# KiCad board CustomKeyboard-Simplified.kicad_pcb (continued)
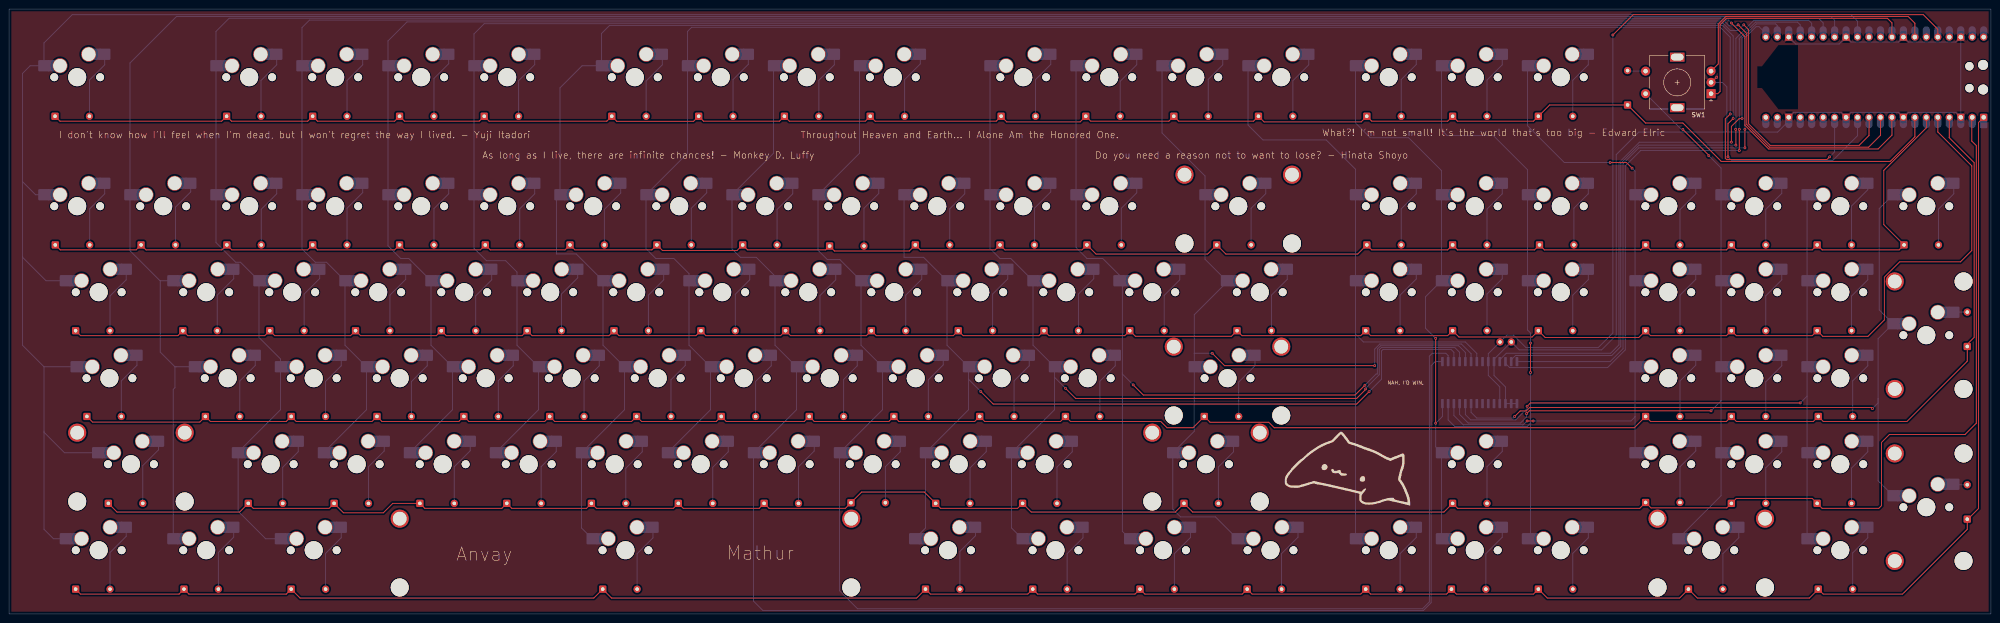
[diagram p0: board, top side]
## Nets
GND: A1.3 A1.8 A1.13 A1.18 A1.23 A1.28 A1.33 A1.38 C1.1 SW1.C U1.10 U1.15 U1.16 U1.17
/COL 0: A1.29 SW2.1 SW18.1 SW39.1 SW60.1 SW76.1 SW93.1
/COL 1: A1.27 SW19.1 SW40.1 SW61.1 SW94.1
/COL 2: A1.26 SW3.1 SW20.1 SW41.1 SW62.1 SW77.1 SW95.1
/COL 3: A1.9 SW4.1 SW21.1 SW42.1 SW63.1 SW78.1
/COL 4: A1.10 SW5.1 SW22.1 SW43.1 SW64.1 SW79.1
/COL 5: A1.11 SW6.1 SW23.1 SW44.1 SW65.1 SW80.1
/COL 6: A1.12 SW7.1 SW24.1 SW45.1 SW66.1 SW81.1 SW96.1
/COL 7: A1.14 SW8.1 SW25.1 SW46.1 SW67.1 SW82.1
/COL 8: SW9.1 SW26.1 SW47.1 SW68.1 SW83.1 U1.1
/COL 9: SW10.1 SW27.1 SW48.1 SW69.1 SW84.1 U1.2
/COL 10: SW28.1 SW49.1 SW70.1 SW85.1 SW97.1 U1.3
/COL 11: SW11.1 SW29.1 SW50.1 SW71.1 SW86.1 SW98.1 U1.4
/COL 12: SW12.1 SW30.1 SW51.1 SW99.1 U1.5
/COL 13: SW13.1 SW31.1 SW52.1 SW72.1 SW87.1 SW100.1 U1.6
/COL 14: SW14.1 SW32.1 SW53.1 SW101.1 U1.7
/COL 15: SW15.1 SW33.1 SW54.1 SW88.1 SW102.1 U1.28
/COL 16: SW16.1 SW34.1 SW55.1 SW103.1 U1.27
/COL 17: SW17.1 SW35.1 SW56.1 SW73.1 SW89.1 U1.26
/COL 18: SW1.S2 SW36.1 SW57.1 SW74.1 SW90.1 SW104.1 U1.25
/COL 19: SW37.1 SW58.1 SW75.1 SW91.1 SW105.1 U1.24
/COL 20: SW38.1 SW59.1 SW92.1 U1.23
/GPIO27_ADC1: A1.32 SW1.A
/GPIO28_ADC2: A1.34 SW1.B
/ROW 0: A1.7 D1.1 D2.1 D3.1 D4.1 D5.1 D6.1 D7.1 D8.1 D9.1 D10.1 D11.1 D12.1 D13.1 D14.1 D15.1 D16.1 D17.1
/ROW 1: A1.6 D18.1 D19.1 D20.1 D21.1 D22.1 D23.1 D24.1 D25.1 D26.1 D27.1 D28.1 D29.1 D30.1 D31.1 D32.1 D33.1 D34.1 D35.1 D36.1 D37.1 D38.1
/ROW 2: A1.5 D39.1 D40.1 D41.1 D42.1 D43.1 D44.1 D45.1 D46.1 D47.1 D48.1 D49.1 D50.1 D51.1 D52.1 D53.1 D54.1 D55.1 D56.1 D57.1 D58.1
/ROW 3: A1.4 D59.1 D60.1 D61.1 D62.1 D63.1 D64.1 D65.1 D66.1 D67.1 D68.1 D69.1 D70.1 D71.1 D72.1 D73.1 D74.1 D75.1
/ROW 4: A1.2 D76.1 D77.1 D78.1 D79.1 D80.1 D81.1 D82.1 D83.1 D84.1 D85.1 D86.1 D87.1 D88.1 D89.1 D90.1 D91.1
/ROW 5: A1.1 D92.1 D93.1 D94.1 D95.1 D96.1 D97.1 D98.1 D99.1 D100.1 D101.1 D102.1 D103.1 D104.1 D105.1
/SPI_CS: A1.22 U1.11
/SPI_MISO: A1.21 U1.14
/SPI_MOSI: A1.25 U1.13
/SPI_SCK: A1.24 U1.12
Net-(A1-3V3): A1.36 C1.2 U1.9 U1.18
Net-(D1-A): D2.2 SW2.2
Net-(D2-A): D3.2 SW3.2
Net-(D3-A): D4.2 SW4.2
Net-(D4-A): D5.2 SW5.2
Net-(D5-A): D6.2 SW6.2
Net-(D6-A): D7.2 SW7.2
Net-(D7-A): D8.2 SW8.2
Net-(D8-A): D9.2 SW9.2
Net-(D9-A): D10.2 SW10.2
Net-(D10-A): D11.2 SW11.2
Net-(D11-A): D12.2 SW12.2
Net-(D12-A): D13.2 SW13.2
Net-(D13-A): D14.2 SW14.2
Net-(D14-A): D15.2 SW15.2
Net-(D15-A): D16.2 SW16.2
Net-(D16-A): D17.2 SW17.2
Net-(D17-A): D18.2 SW18.2
Net-(D18-A): D19.2 SW19.2
Net-(D19-A): D20.2 SW20.2
Net-(D20-A): D21.2 SW21.2
Net-(D21-A): D22.2 SW22.2
Net-(D22-A): D23.2 SW23.2
Net-(D23-A): D24.2 SW24.2
Net-(D24-A): D25.2 SW25.2
Net-(D25-A): D26.2 SW26.2
Net-(D26-A): D38.2 SW27.2
Net-(D27-A): D27.2 SW28.2
Net-(D28-A): D28.2 SW29.2
Net-(D29-A): D29.2 SW30.2
Net-(D30-A): D30.2 SW31.2
Net-(D31-A): D39.2 SW39.2
Net-(D32-A): D40.2 SW40.2
Net-(D33-A): D41.2 SW41.2
Net-(D34-A): D42.2 SW42.2
Net-(D35-A): D43.2 SW43.2
Net-(D36-A): D44.2 SW44.2
Net-(D37-A): D45.2 SW45.2
Net-(D38-A): D46.2 SW46.2
Net-(D39-A): D47.2 SW47.2
Net-(D40-A): D48.2 SW48.2
Net-(D41-A): D49.2 SW49.2
Net-(D42-A): D50.2 SW50.2
Net-(D43-A): D51.2 SW51.2
Net-(D44-A): D52.2 SW52.2
Net-(D45-A): D60.2 SW60.2
Net-(D46-A): D61.2 SW61.2
Net-(D47-A): D62.2 SW62.2
Net-(D48-A): D63.2 SW63.2
Net-(D49-A): D64.2 SW64.2
Net-(D50-A): D65.2 SW65.2
Net-(D51-A): D66.2 SW66.2
Net-(D52-A): D67.2 SW67.2
Net-(D53-A): D68.2 SW68.2
Net-(D54-A): D69.2 SW69.2
Net-(D55-A): D70.2 SW70.2
Net-(D56-A): D71.2 SW71.2
Net-(D57-A): D72.2 SW72.2
Net-(D58-A): D78.2 SW76.2
Net-(D59-A): D79.2 SW77.2
Net-(D60-A): D80.2 SW78.2
Net-(D61-A): D81.2 SW79.2
Net-(D62-A): D82.2 SW80.2
Net-(D63-A): D83.2 SW81.2
Net-(D64-A): D84.2 SW82.2
Net-(D65-A): D85.2 SW83.2
Net-(D66-A): D77.2 SW84.2
Net-(D67-A): D86.2 SW85.2
Net-(D68-A): D87.2 SW86.2
Net-(D69-A): D88.2 SW87.2
Net-(D70-A): D93.2 SW93.2
Net-(D71-A): D94.2 SW94.2
Net-(D72-A): D95.2 SW95.2
Net-(D73-A): D96.2 SW96.2
Net-(D74-A): D97.2 SW97.2
Net-(D75-A): D98.2 SW98.2
Net-(D76-A): D99.2 SW99.2
Net-(D77-A): D100.2 SW100.2
Net-(D78-A): D101.2 SW101.2
Net-(D79-A): D89.2 SW88.2
Net-(D80-A): D103.2 SW103.2
Net-(D81-A): D102.2 SW102.2
Net-(D82-A): D104.2 SW104.2
Net-(D83-A): D105.2 SW105.2
Net-(D84-A): D92.2 SW92.2
Net-(D85-A): D76.2 SW89.2
Net-(D86-A): D90.2 SW90.2
Net-(D87-A): D91.2 SW91.2
Net-(D88-A): D73.2 SW73.2
Net-(D89-A): D74.2 SW74.2
Net-(D90-A): D75.2 SW75.2
Net-(D91-A): D56.2 SW56.2
Net-(D92-A): D57.2 SW57.2
Net-(D93-A): D58.2 SW58.2
Net-(D94-A): D34.2 SW35.2
Net-(D95-A): D35.2 SW36.2
Net-(D96-A): D36.2 SW37.2
Net-(D97-A): D59.2 SW59.2
Net-(D98-A): D37.2 SW38.2
Net-(D99-A): D31.2 SW32.2
Net-(D100-A): D32.2 SW33.2
Net-(D101-A): D33.2 SW34.2
Net-(D102-A): D53.2 SW53.2
Net-(D103-A): D54.2 SW54.2
Net-(D104-A): D55.2 SW55.2
Net-(D105-A): D1.2 SW1.S1

Pads without a net: A1 15 16 17 19 20 30 31 35 37 39 40; SW1 MP; U1 8 19 20 21 22

## Via types
v1: diameter 0.6, hole 0.3, Top to Bottom, 41 vias

## Routing (per net, layer and track width the routed paths; a pad name or vN(x,y) marks a point on that pad's centre or on a via; arc(x,y) is an arc through that point)
GND: length 240.4
  Top w0.2: SW1.C 377.09,117.75 v1(378.24,118.9)
  Bottom w0.2: A1.18 395.31,111.11 405.81,111.11 A1.13 408.01,111.11 418.51,111.11 A1.8 420.71,111.11 431.21,111.11 A1.3 A1.38 431.21,126.69 420.71,126.69 A1.33 418.51,126.69 408.01,126.69 A1.28 405.37,126.25 395.75,126.25 A1.23 ; 380.5,106.75 391.75,106.75 394.21,109.21 ; 380.5,106.75 361,106.75 356,101.75 356,61.75 352.75,58.5 334.5,58.5 C1.1 328.93,56.42 ; 380.5,106.75 380.5,116.75 379.5,117.75 SW1.C ; U1.15 U1.16 U1.17 331.46,50.28 328.93,52.83 U1.10
/COL 0: length 566.5
  Bottom w0.2: A1.29 409.45,131.3 408,132.75 14,132.75 7.74,126.49 SW2.1 4.69,121.44 3,119.75 3,95.75 ; 3,79.25 3,59.5 7.73,54.77 7.75,54.77 ; 3,79.25 3,79 8.18,73.81 SW39.1 ; 3,79.25 3,95.75 ; 7.75,54.77 SW60.1 ; 7.75,54.77 7.75,40.25 12.28,35.72 SW76.1 ; 7.75,40.5 7.75,18.75 9.84,16.66 SW93.1 ; 3,95.75 5.89,92.86 7.74,92.86
/COL 1: length 501.9
  Bottom w0.2: 33.5,73.81 SW40.1 ; 33.5,73.81 33.5,58 36.75,54.75 ; 33.5,73.81 33.44,73.81 26.79,80.46 26.79,122.04 37.1,132.35 403.55,132.35 404.37,131.53 A1.27 ; 36.75,54.75 36.75,50.12 36.38,49.75 36.38,16.72 ; 36.75,54.75 37,54.75 37.02,54.77 SW61.1
/COL 2: length 492.3
  Bottom w0.2: SW77.1 60.13,45.24 SW62.1 60.13,56.49 55.36,61.25 SW41.1 51.28,77.91 50.21,77.91 45.84,82.28 SW3.1 45.84,129.04 48.75,131.95 400.8,131.95 401.83,130.92 A1.26 ; SW95.1 56.83,16.66 50.75,22.75 50.75,35.57 ; 50.75,34.65 51.82,35.72 SW77.1
/COL 3: length 486.9
  Top w0.2: v1(381.5,130.9) 384.5,127.9 384.5,108.25 389.75,103 414,103 417.07,106.07 A1.9
  Bottom w0.2: v1(381.5,130.9) 380.85,131.55 66.55,131.55 64.89,129.89 SW4.1 64.89,80.86 67.84,77.91 70.33,77.91 SW42.1 74.42,59.53 SW63.1 79.18,45.24 SW78.1
/COL 4: length 463
  Top w0.2: v1(383,130.5) 384.91,128.59 384.91,108.41 389.92,103.4 411.9,103.4 414.53,106.03 A1.10
  Bottom w0.2: SW79.1 98.23,45.24 SW64.1 93.47,59.53 SW43.1 88.53,78.75 86.75,78.75 83.94,81.56 SW5.1 83.94,126.94 88.15,131.15 380.15,131.15 381,130.3 382.8,130.3 v1(383,130.5)
/COL 5: length 444.4
  Top w0.2: A1.11 411.99,105.99 409.8,103.8 390.08,103.8 385.32,108.57 385.32,129.43 v1(384.25,130.5)
  Bottom w0.2: v1(384.25,130.5) 383,129.25 381.25,129.25 379.75,130.75 105.25,130.75 102.99,128.49 SW6.1 102.99,81.01 105.75,78.25 110,78.25 112.51,75.73 SW44.1 112.51,59.53 SW65.1 117.28,45.24 SW80.1
/COL 6: length 445.3
  Top w0.2: v1(380.75,101.25) 380.75,108.6 v1(381.9,109.75)
  Bottom w0.2: 121.25,92.08 121.25,79.75 125.63,79.75 SW45.1 131.56,59.53 SW66.1 136.33,45.24 SW81.1 126.8,19.05 SW96.1 ; v1(381.9,109.75) 381.9,128.03 379.58,130.35 133,130.35 131.25,128.6 SW7.1 126.94,121.44 122.04,116.54 122.04,92.86 ; A1.12 409.45,105.95 404,100.5 381.5,100.5 v1(380.75,101.25)
/COL 7: length 400.7
  Top w0.2: v1(381.25,110.75) 380.15,109.65 380.15,100.95 380.45,100.65 402.65,100.65 v1(403.25,101.25)
  Bottom w0.2: SW82.1 155.38,45.24 SW67.1 150.62,59.53 150.62,75.39 147.25,78.75 143.25,78.75 141.09,80.91 141.09,92.86 150.3,102.07 SW8.1 150.3,129.05 151.2,129.95 379.05,129.95 381.25,127.75 v1(381.25,110.75) ; A1.14 404.37,102.37 v1(403.25,101.25)
/COL 8: length 340.4
  Bottom w0.2: SW47.1 169.66,59.53 SW68.1 174.43,45.24 SW83.1 164.9,2.85 167,0.75 313.25,0.75 315,2.5 315,55 315.9,55.9 U1.1 ; 169.66,74.83 165.5,79 162,79 160.14,80.86 160.14,92.86 169.35,102.07 SW9.1
/COL 9: length 324.9
  Bottom w0.2: SW10.1 188.4,102.07 179.19,92.86 179.19,80.56 181.25,78.5 184.03,78.5 188.72,73.81 188.72,59.53 SW69.1 193.48,45.24 SW84.1 183.95,5.15 187.96,1.15 313.08,1.15 314.6,2.67 314.6,57.1 315.25,57.75 318.25,57.75 318.76,57.23 U1.2
/COL 10: length 210.4
  Top w0.2: v1(301.25,49.25) 298.5,46.5 218,46.5 v1(215.25,49.25)
  Bottom w0.2: 212.53,52 215.25,49.28 v1(215.25,49.25) ; 212.53,52 SW70.1 207.76,59.53 SW49.1 202.58,79 198.25,79 198.25,92.86 ; 212.53,52 212.53,45.24 SW85.1 203,19.05 SW97.1 ; U1.3 320.04,57.97 319.4,58.6 304.35,58.6 304,58.25 304,52 v1(301.25,49.25)
/COL 11: length 219.2
  Top w0.2: v1(234,50) 236.25,47.75 298.5,47.75 300.5,49.75 v1(300.5,49.85)
  Bottom w0.2: v1(234,50) 231.58,52.42 ; 231.58,52.42 SW71.1 226.81,59.53 SW50.1 221.88,78.75 219.5,78.75 217.29,80.96 SW11.1 ; 231.58,52.42 231.58,45.24 SW86.1 222.05,19.05 SW98.1 ; v1(300.5,49.85) 300.5,50 303.5,53 303.5,58.54 303.96,59 320.25,59 321.31,57.94 U1.4
/COL 12: length 199.1
  Top w0.2: v1(249,50.75) 251.25,48.5 298.15,48.5 v1(300.33,50.67)
  Bottom w0.2: SW99.1 246.6,18.31 246.6,73.08 ; v1(249,50.75) 246.6,53.15 246.6,53.25 ; SW12.1 236.34,81.16 238.75,78.75 242.25,78.75 245.87,75.14 SW51.1 ; U1.5 322.57,57.92 321.1,59.4 303.8,59.4 303.09,58.69 303.09,53.16 302.81,53.16 v1(300.33,50.67)
/COL 13: length 194.9
  Top w0.2: v1(266.5,57.75) 269.25,55 v1(302.49,55)
  Bottom w0.2: 262.53,57.75 262.53,66.28 269.68,73.43 ; 262.53,57.75 v1(266.5,57.75) ; 262.53,57.75 SW72.1 262.53,40.48 SW87.1 257.77,23.23 259.5,21.5 267.22,21.5 SW100.1 ; SW52.1 264.92,78.58 264.92,97.02 255.39,106.54 SW13.1 ; v1(302.49,55) 302.49,58.66 303.63,59.8 321.7,59.8 323.85,57.66 U1.6
/COL 14: length 153.3
  Bottom w0.2: 298.25,62 SW53.1 298.25,98.5 291.75,105 277.75,105 274.44,108.31 SW14.1 ; 298.25,62 300,60.25 322.57,60.25 325.12,57.7 U1.7 ; 298.25,62 SW101.1
/COL 15: length 125.6
  Top w0.2: v1(316,61.05) v1(316,42.25)
  Bottom w0.2: v1(316,61.05) 313.75,63.3 313.75,70.26 SW54.1 317.3,98.2 310,105.5 301.5,105.5 298.25,108.75 SW15.1 ; SW102.1 SW88.1 316,37.02 v1(316,42.25) 317.5,43.75 U1.28
/COL 16: length 141.1
  Top w0.2: v1(337,60) v1(337,53.5)
  Bottom w0.2: 337,17.31 337,42.25 ; 337,42.25 336.25,41.5 320.25,41.5 318.76,42.98 U1.27 ; 337,42.25 v1(337,53.5) ; v1(337,60) 337,62.25 336.35,62.9 SW55.1 336.35,98.4 328.75,106 318.5,106 317.3,107.2 SW16.1
/COL 17: length 148.1
  Top w0.2: v1(359.5,98.75) 358.25,100 v1(354.65,100) ; v1(337.6,42.75) v1(336.25,42.75)
  Bottom w0.2: v1(336.25,42.75) 335.4,41.9 322.1,41.9 320.04,43.97 U1.26 ; v1(337.6,42.75) 359.25,42.75 360.17,43.67 360.17,43.75 ; 360.17,43.75 SW89.1 ; 360.17,43.75 SW73.1 SW56.1 360.17,98.09 v1(359.5,98.75) ; SW17.1 336.35,108.15 344.5,100 v1(354.65,100)
/COL 18: length 173.3
  Top w0.2: v1(377,45) 336.75,45 v1(336.12,44.38) ; v1(376.5,101.5) 376.5,101.6 v1(370.75,107.35)
  Bottom w0.2: v1(377,45) 379.21,47.22 379.21,47.25 ; v1(370.75,107.35) 370.4,107.35 SW1.S2 ; 379.21,47.25 SW74.1 SW57.1 379.21,98.78 v1(376.5,101.5) ; 379.21,47.25 SW90.1 379.21,26.19 SW104.1 ; U1.25 321.31,44.19 323.2,42.3 334.8,42.3 336.12,43.62 v1(336.12,44.38)
/COL 19: length 157.3
  Top w0.2: v1(396.75,46.75) 337,46.75 v1(336.25,46)
  Bottom w0.2: U1.24 322.57,44.17 323.75,43 333.75,43 336.25,45.5 v1(336.25,46) ; SW105.1 SW91.1 398.26,48.25 ; 398.26,48.25 SW75.1 SW58.1 398.26,92.86 ; 398.26,48.25 396.76,46.75 v1(396.75,46.75)
/COL 20: length 167.2
  Top w0.2: v1(412.75,45.5) 412.5,45.75 336.85,45.75 336.07,44.97 334.73,44.97 v1(333.5,43.75)
  Bottom w0.2: U1.23 323.85,44.66 325.1,43.4 333.15,43.4 v1(333.5,43.75) ; 414,47.75 414,60.97 SW59.1 414.25,67.36 414.25,89.8 417.31,92.86 ; 414,47.75 414,29.5 SW92.1 ; 414,47.75 414,46.75 v1(412.75,45.5)
/GPIO27_ADC1: length 59.2
  Top w0.2: A1.32 417.07,130.93 416.05,131.95 380.45,131.95 379,130.5 379,115.75 378.5,115.25 SW1.A
/GPIO28_ADC2: length 59
  Top w0.2: A1.34 422.15,130.85 420.65,132.35 380.28,132.35 378.6,130.67 378.6,121.85 SW1.B
/ROW 0: length 438.7
  Top w0.2: A1.7 422.15,105.71 416.68,100.25 379.25,100.25 370.75,108.75 362.5,108.75 D1.1 341.25,112.75 D17.1 337.65,109.15 320.85,109.15 D16.1 318.65,109.15 301.85,109.15 D15.1 299.5,109 278,109 D14.1 275.65,109.15 259.1,109.15 D13.1 256.9,109.15 239.6,109.15 D12.1 237.25,109 221,109 D11.1 218.65,109.15 191.85,109.15 D10.1 189.65,109.15 172.85,109.15 D9.1 170.65,109.15 153.85,109.15 D8.1 151.62,109.12 134.62,109.12 D7.1 132.4,109.15 106.35,109.15 D6.1 104.15,109.15 87.6,109.15 D5.1 85.4,109.15 68.35,109.15 D4.1 66.15,109.15 49.29,109.15 D3.1 47.09,109.15 11.29,109.15 D2.1
/ROW 1: length 463.4
  Top w0.2: D18.1 11.35,80.65 28.15,80.65 D19.1 30.35,80.65 47.15,80.65 D20.1 49.35,80.65 66.15,80.65 D21.1 68.35,80.65 85.4,80.65 D22.1 87.6,80.65 104.4,80.65 D23.1 106.6,80.65 123.15,80.65 D24.1 125.35,80.65 142.4,80.65 D25.1 144.75,80.5 161.25,80.5 D26.1 163.6,80.65 180.9,80.65 D38.1 182.85,80.4 199.4,80.4 D27.1 201.85,80.65 218.4,80.65 D28.1 220.6,80.65 237.65,80.65 D29.1 240.77,79.73 265.48,79.73 D30.1 269.52,79.73 298.73,79.73 D31.1 301.85,80.65 318.65,80.65 D32.1 320.85,80.65 337.9,80.65 D33.1 340.1,80.65 361.4,80.65 D34.1 363.6,80.65 380.4,80.65 D35.1 382.6,80.65 399.4,80.65 D36.1 401.6,80.65 418.65,80.65 D37.1 415.25,86.25 415.25,98.25 424.69,107.69 A1.6
/ROW 2: length 484.6
  Top w0.2: D39.1 15.85,61.65 37.4,61.65 D40.1 39.6,61.65 56.65,61.65 D41.1 58.85,61.65 75.65,61.65 D42.1 77.85,61.65 94.65,61.65 D43.1 96.85,61.65 113.65,61.65 D44.1 115.85,61.65 132.9,61.65 D45.1 135.1,61.65 152.15,61.65 D46.1 154.35,61.65 170.9,61.65 D47.1 173.1,61.65 189.9,61.65 D48.1 192.1,61.65 209.15,61.65 D49.1 211.35,61.65 228.15,61.65 D50.1 230.35,61.65 247.15,61.65 D51.1 249.49,61.51 270.76,61.51 D52.1 273.1,61.65 299.4,61.65 D53.1 301.6,61.65 318.65,61.65 D54.1 321.15,61.35 337.35,61.35 D55.1 340.25,61.25 361,61.25 D56.1 363.6,61.65 380.4,61.65 D57.1 382.6,61.65 399.4,61.65 D58.1 401.75,61.5 411.75,61.5 415.39,65.14 415.39,74.61 418.78,78 432.25,78 434.75,80.5 434.75,99.25 427.23,106.77 A1.5
/ROW 3: length 495
  Top w0.2: D60.1 18.5,42.5 42.25,42.5 D61.1 44.6,42.65 61.4,42.65 D62.1 63.6,42.65 80.4,42.65 D63.1 82.6,42.65 99.65,42.65 D64.1 101.85,42.65 118.65,42.65 D65.1 120.85,42.65 137.9,42.65 D66.1 140.1,42.65 156.65,42.65 D67.1 158.85,42.65 176.15,42.65 D68.1 178.35,42.65 194.9,42.65 D69.1 197.1,42.65 213.9,42.65 D70.1 216.1,42.65 232.9,42.65 D71.1 235.1,42.65 255.1,42.65 256.5,41.25 262.25,41.25 D72.1 266.04,42.46 279.04,42.46 280.25,41.25 360,41.25 D73.1 363.6,42.65 380.4,42.65 D74.1 382.6,42.65 399.65,42.65 D75.1 401.85,42.65 420.4,42.65 433.75,56 D59.1 ; 433.75,59.75 435.27,61.27 435.27,99.98 429.75,105.5 429.77,105.52 A1.4
/ROW 4: length 516.1
  Top w0.2: D78.1 23.92,22.58 51.08,22.58 D79.1 54.1,23.4 70.9,23.4 D80.1 74.09,22.41 82.91,22.41 85,24.5 D81.1 92.1,23.4 109.15,23.4 D82.1 111.35,23.4 127.9,23.4 D83.1 130.1,23.4 147.15,23.4 D84.1 149.35,23.4 166.15,23.4 D85.1 168.35,23.4 185.24,23.4 D77.1 188.84,27 202.75,27 D86.1 206.35,23.4 223.4,23.4 D87.1 226.42,22.58 258.33,22.58 D88.1 262.17,22.58 317.83,22.58 D89.1 320.85,23.4 361.2,23.4 D76.1 363.7,23.5 380.5,23.5 D90.1 382.6,25.6 399.4,25.6 D91.1 401.6,23.4 414.15,23.4 414.75,24 414.75,38 416.5,39.75 433.25,39.75 435.75,42.25 435.75,103.75 434.75,104.75 434.75,109.91
/ROW 5: length 531.9
  Top w0.2: 433.88,21 436.25,23.38 436.25,108.87 A1.1 ; D93.1 15.85,4.4 37.65,4.4 D94.1 39.85,4.4 61.4,4.4 D95.1 64.47,3.53 129.53,3.53 D96.1 133.47,3.53 201.03,3.53 D97.1 204.1,4.4 225.65,4.4 D98.1 227.85,4.4 249.4,4.4 D99.1 251.6,4.4 273.15,4.4 D100.1 275.35,4.4 299.4,4.4 D101.1 301.6,4.4 318.4,4.4 D102.1 320.6,4.4 337.65,4.4 D103.1 340.72,3.53 370.03,3.53 D104.1 373.97,3.53 398.78,3.53 D105.1 401.85,4.4 419.4,4.4 433.75,18.75 D92.1
/SPI_CS: length 131.1
  Top w0.2: v1(383.86,109.75) 383.25,109.75 381.5,108 v1(381.5,104.5)
  Bottom w0.2: v1(383.86,109.75) 383.86,127.54 387.02,130.7 391.3,130.7 391.67,130.33 A1.22 ; v1(381.5,104.5) 361.12,104.5 356.6,99.98 356.6,59.6 354.75,57.75 331.65,57.75 330.19,56.3
/SPI_MISO: length 124.8
  Top w0.2: v1(384.5,103.25) v1(384.5,107.35)
  Bottom w0.2: v1(384.5,103.25) 361,103.25 357.5,99.75 357.5,58.75 354.65,55.9 U1.14 ; v1(384.5,107.35) 384.5,127.62 386.97,130.09 387.63,130.09 A1.21
/SPI_MOSI: length 138.7
  Top w0.2: v1(382.5,103.85) 382.5,107.3 v1(382.45,107.35)
  Bottom w0.2: v1(382.5,103.85) 361.03,103.85 357,99.82 357,59.25 355,57.25 333.69,57.25 332.74,56.3 ; A1.25 399.29,130.84 398.62,131.5 386.5,131.5 382.5,127.5 382.5,107.4 v1(382.45,107.35)
/SPI_SCK: length 138.8
  Top w0.2: v1(383.25,107.35) v1(383.25,102.65)
  Bottom w0.2: v1(383.25,102.65) 361.35,102.65 361.38,102.62 358,99.25 358,58.5 354.07,54.58 332.39,54.58 331.46,55.5 ; A1.24 396.75,130.5 396.15,131.1 386.85,131.1 383.25,127.5 383.25,127.25 383.26,127.24 383.26,107.36 v1(383.25,107.35)
Net-(A1-3V3): length 186.8
  Top w0.2: A1.36 427.23,129.52 424,132.75 359.75,132.75 v1(355.25,128.25)
  Bottom w0.2: v1(355.25,128.25) 355.25,62.25 352,59 336,59 333.25,61.75 331.75,61.75 C1.2 327.65,57.66 U1.9 327.65,52.84 330.19,50.31 U1.18
Net-(D1-A): length 15.1
  Bottom w0.2: SW2.2 21.19,121.64 17.81,118.26 D2.2
Net-(D2-A): length 15.2
  Bottom w0.2: D3.2 55.81,118.16 59.29,121.64 SW3.2
Net-(D3-A): length 15.2
  Bottom w0.2: D4.2 74.87,118.17 78.34,121.64 SW4.2
Net-(D4-A): length 15.1
  Bottom w0.2: D5.2 94.12,118.62 97.39,121.89 SW5.2
Net-(D5-A): length 15.2
  Bottom w0.2: D6.2 112.87,118.12 116.44,121.69 SW6.2
Net-(D6-A): length 15.2
  Bottom w0.2: D7.2 141.12,118.06 144.7,121.64 SW7.2
Net-(D7-A): length 15.1
  Bottom w0.2: D8.2 160.37,118.37 163.75,121.75 SW8.2
Net-(D8-A): length 15.1
  Bottom w0.2: D9.2 179.37,118.21 182.8,121.64 SW9.2
Net-(D9-A): length 15.2
  Bottom w0.2: SW10.2 201.85,121.85 198.37,118.37 D10.2
Net-(D10-A): length 15.1
  Bottom w0.2: D11.2 227.37,118.37 230.74,121.74 SW11.2
Net-(D11-A): length 15.3
  Bottom w0.2: D12.2 246.12,118 249.79,121.66 SW12.2
Net-(D12-A): length 15.1
  Bottom w0.2: D13.2 265.62,118.42 268.84,121.64 SW13.2
Net-(D13-A): length 15.2
  Bottom w0.2: SW14.2 287.89,121.64 284.37,118.12 D14.2
Net-(D14-A): length 15.1
  Bottom w0.2: D15.2 308.37,118.37 311.7,121.7 SW15.2
Net-(D15-A): length 15.1
  Bottom w0.2: D16.2 327.37,118.26 330.75,121.64 SW16.2
Net-(D16-A): length 15.2
  Bottom w0.2: SW17.2 349.8,121.64 346.37,118.21 D17.2
Net-(D17-A): length 15
  Bottom w0.2: SW18.2 21.19,93.07 17.87,89.75 D18.2
Net-(D18-A): length 15.1
  Bottom w0.2: SW19.2 40.24,93.49 36.87,90.12 D19.2
Net-(D19-A): length 15.1
  Bottom w0.2: SW20.2 59.29,93.07 55.87,89.65 D20.2
Net-(D20-A): length 15.1
  Bottom w0.2: D21.2 74.87,89.87 78.34,93.34 SW21.2
Net-(D21-A): length 15
  Bottom w0.2: SW22.2 97.39,93.07 94.12,89.8 D22.2
Net-(D22-A): length 15
  Bottom w0.2: SW23.2 116.44,93.07 113.12,89.75 D23.2
Net-(D23-A): length 15.2
  Bottom w0.2: D24.2 131.87,89.62 135.49,93.24 SW24.2
Net-(D24-A): length 15.1
  Bottom w0.2: SW25.2 154.54,93.29 151.12,89.87 D25.2
Net-(D25-A): length 15.1
  Bottom w0.2: D26.2 170.12,89.6 173.59,93.07 SW26.2
Net-(D26-A): length 15.3
  Bottom w0.2: D38.2 189.37,89.87 192.64,93.14 SW27.2
Net-(D27-A): length 15
  Bottom w0.2: SW28.2 211.69,93.07 208.37,89.75 D27.2
Net-(D28-A): length 15.2
  Bottom w0.2: SW29.2 230.74,93.49 227.12,89.87 D28.2
Net-(D29-A): length 15.1
  Bottom w0.2: D29.2 246.37,89.87 249.79,93.29 SW30.2
Net-(D30-A): length 15
  Bottom w0.2: SW31.2 278.37,93.12 275.12,89.87 D30.2
Net-(D31-A): length 15.1
  Bottom w0.2: SW39.2 25.95,74.02 22.37,70.43 D39.2
Net-(D32-A): length 15.1
  Bottom w0.2: D40.2 46.12,70.62 49.77,74.27 SW40.2
Net-(D33-A): length 15
  Bottom w0.2: SW41.2 68.81,74.31 65.37,70.87 D41.2
Net-(D34-A): length 15.1
  Bottom w0.2: D42.2 84.37,70.62 87.86,74.11 87.86,76.36
Net-(D35-A): length 15.1
  Bottom w0.2: D43.2 103.37,70.47 106.91,74.02 SW43.2
Net-(D36-A): length 15.1
  Bottom w0.2: SW44.2 125.97,74.47 122.37,70.87 D44.2
Net-(D37-A): length 15
  Bottom w0.2: SW45.2 145.01,74.02 141.62,70.62 D45.2
Net-(D38-A): length 14.9
  Bottom w0.2: SW46.2 164.06,74.02 160.87,70.82 D46.2
Net-(D39-A): length 15.1
  Bottom w0.2: SW47.2 183.12,74.02 179.62,70.52 D47.2
Net-(D40-A): length 15.1
  Bottom w0.2: D48.2 198.62,70.62 202.16,74.17 SW48.2
Net-(D41-A): length 15
  Bottom w0.2: SW49.2 221.22,74.22 217.87,70.87 D49.2
Net-(D42-A): length 15
  Bottom w0.2: SW50.2 240.26,74.27 236.87,70.87 D50.2
Net-(D43-A): length 15
  Bottom w0.2: SW51.2 259.31,74.02 255.87,70.57 D51.2
Net-(D44-A): length 15.1
  Bottom w0.2: D52.2 279.62,70.62 283.13,74.13 SW52.2
Net-(D45-A): length 15
  Bottom w0.2: SW60.2 28.33,55.08 24.87,51.62 D60.2
Net-(D46-A): length 15
  Bottom w0.2: SW61.2 54.53,55.03 51.12,51.62 D61.2
Net-(D47-A): length 15
  Bottom w0.2: SW62.2 73.58,54.97 70.12,51.51 D62.2
Net-(D48-A): length 15
  Bottom w0.2: SW63.2 92.63,54.97 89.12,51.46 D63.2
Net-(D49-A): length 14.9
  Bottom w0.2: D64.2 108.37,51.66 111.68,54.97 SW64.2
Net-(D50-A): length 14.9
  Bottom w0.2: SW65.2 130.73,54.97 127.37,51.61 D65.2
Net-(D51-A): length 14.9
  Bottom w0.2: SW66.2 149.78,55.03 146.62,51.87 D66.2
Net-(D52-A): length 15
  Bottom w0.2: D67.2 165.37,51.51 168.83,54.97 SW67.2
Net-(D53-A): length 14.8
  Bottom w0.2: SW68.2 187.88,54.97 184.87,51.96 D68.2
Net-(D54-A): length 14.9
  Bottom w0.2: D69.2 203.62,51.87 206.93,55.18 SW69.2
Net-(D55-A): length 14.9
  Bottom w0.2: SW70.2 225.98,54.98 222.62,51.62 D70.2
Net-(D56-A): length 15
  Bottom w0.2: SW71.2 245.03,54.97 241.62,51.56 D71.2
Net-(D57-A): length 15.1
  Bottom w0.2: SW72.2 275.98,54.98 272.37,51.37 D72.2
Net-(D58-A): length 15.2
  Bottom w0.2: SW76.2 33.1,36.35 29.62,32.87 D78.2
Net-(D59-A): length 15.2
  Bottom w0.2: SW77.2 64.05,35.93 60.62,32.5 D79.2
Net-(D60-A): length 15.2
  Bottom w0.2: SW78.2 83.1,36.1 79.62,32.62 D80.2
Net-(D61-A): length 15.2
  Bottom w0.2: SW79.2 102.15,36.15 98.62,32.62 D81.2
Net-(D62-A): length 15.1
  Bottom w0.2: SW80.2 121.2,35.95 117.87,32.62 D82.2
Net-(D63-A): length 15.3
  Bottom w0.2: D83.2 136.62,32.28 140.25,35.92 SW81.2
Net-(D64-A): length 15.2
  Bottom w0.2: SW82.2 159.3,35.92 155.87,32.48 D84.2
Net-(D65-A): length 15.2
  Bottom w0.2: SW83.2 178.35,36.1 174.87,32.62 D85.2
Net-(D66-A): length 15
  Bottom w0.2: SW84.2 197.4,35.92 194.11,32.62 D77.2
Net-(D67-A): length 15.2
  Bottom w0.2: D86.2 212.87,32.37 216.45,35.95 SW85.2
Net-(D68-A): length 15.2
  Bottom w0.2: SW86.2 235.5,35.92 232.12,32.53 D87.2
Net-(D69-A): length 15.1
  Bottom w0.2: D88.2 267.87,32.57 271.22,35.92 SW87.2
Net-(D70-A): length 15.2
  Bottom w0.2: D93.2 22.37,13.62 25.95,17.2 SW93.2
Net-(D71-A): length 15.1
  Bottom w0.2: D94.2 46.37,13.62 49.77,17.01 SW94.2
Net-(D72-A): length 15.1
  Bottom w0.2: SW95.2 73.58,16.87 70.12,13.41 D95.2
Net-(D73-A): length 15.2
  Bottom w0.2: SW96.2 142.63,16.87 139.12,13.35 D96.2
Net-(D74-A): length 15.1
  Bottom w0.2: D97.2 210.62,13.87 214.07,17.32 SW97.2
Net-(D75-A): length 15.2
  Bottom w0.2: SW98.2 237.88,16.87 234.37,13.35 D98.2
Net-(D76-A): length 15.2
  Bottom w0.2: SW99.2 261.7,16.95 258.12,13.37 D99.2
Net-(D77-A): length 15.2
  Bottom w0.2: SW100.2 285.51,17.01 281.87,13.37 D100.2
Net-(D78-A): length 15.2
  Bottom w0.2: SW101.2 311.7,16.95 308.12,13.37 D101.2
Net-(D79-A): length 15.2
  Bottom w0.2: D89.2 327.37,32.62 330.75,36 SW88.2
Net-(D80-A): length 15.1
  Bottom w0.2: SW103.2 349.8,16.87 346.37,13.43 D103.2
Net-(D81-A): length 15.2
  Bottom w0.2: D102.2 327.12,13.37 330.75,17 SW102.2
Net-(D82-A): length 15.2
  Bottom w0.2: SW104.2 383.14,16.89 379.62,13.37 D104.2
Net-(D83-A): length 15.1
  Bottom w0.2: SW105.2 411.71,16.87 408.37,13.52 D105.2
Net-(D84-A): length 2.4
  Bottom w0.2: 433.25,28.62 430.88,28.62
Net-(D85-A): length 15
  Bottom w0.2: D76.2 370.12,32.62 373.62,36.11 373.62,38.25
Net-(D86-A): length 15.2
  Bottom w0.2: SW90.2 392.67,35.92 389.12,32.37 D90.2
Net-(D87-A): length 15.2
  Bottom w0.2: SW91.2 411.71,35.92 408.12,32.32 D91.2
Net-(D88-A): length 15
  Bottom w0.2: 373.62,57.31 373.62,55.11 370.12,51.62 D73.2
Net-(D89-A): length 15
  Bottom w0.2: D74.2 389.12,51.42 392.67,54.97 SW74.2
Net-(D90-A): length 14.9
  Bottom w0.2: SW75.2 411.71,54.97 408.37,51.62 D75.2
Net-(D91-A): length 15.1
  Bottom w0.2: D56.2 370.12,70.62 373.62,74.11 373.62,76.36
Net-(D92-A): length 15.1
  Bottom w0.2: SW57.2 392.67,74.02 389.12,70.47 D57.2
Net-(D93-A): length 15.1
  Bottom w0.2: SW58.2 411.71,74.02 408.12,70.42 D58.2
Net-(D94-A): length 15.1
  Bottom w0.2: D34.2 370.12,89.57 373.62,93.07 373.62,95.41
Net-(D95-A): length 15.1
  Bottom w0.2: SW36.2 392.67,93.16 389.12,89.62 D35.2
Net-(D96-A): length 15.1
  Bottom w0.2: D36.2 408.12,90.37 411.71,93.97 SW37.2
Net-(D97-A): length 2.4
  Bottom w0.2: 433.25,66.87 430.81,66.87
Net-(D98-A): length 15.1
  Bottom w0.2: SW38.2 430.76,93.07 427.37,89.67 D37.2
Net-(D99-A): length 15
  Bottom w0.2: D31.2 308.37,89.73 311.7,93.07 SW32.2
Net-(D100-A): length 15.1
  Bottom w0.2: D32.2 327.37,89.68 330.75,93.07 SW33.2
Net-(D101-A): length 15
  Bottom w0.2: SW34.2 349.8,93.07 346.62,89.88 D33.2
Net-(D102-A): length 15.1
  Bottom w0.2: SW53.2 311.7,74.2 308.12,70.62 D53.2
Net-(D103-A): length 15
  Bottom w0.2: SW54.2 330.75,74.25 327.37,70.87 D54.2
Net-(D104-A): length 15
  Bottom w0.2: SW55.2 349.8,74.05 346.37,70.62 D55.2
Net-(D105-A): length 3.9
  Bottom w0.2: SW1.S1 358.62,120.25

## Copper pours and planes (outline as drawn; the poured copper is in the pictures)
GND on Top, Bottom: 0,134 439,134 439,0 0,0

## Text on the board
F.Silkscreen: NAH, I'D WIN. | I don't know how I'll feel when I'm dead, but I won't regret the way I lived. - Yuji Itadori | As long as I live, there are infinite chances! - Monkey D. Luffy | Throughout Heaven and Earth... I Alone Am the Honored One. | Do you need a reason not to want to lose? - Hinata Shoyo | What?! I'm not small! It's the world that's too big - Edward Elric | Mathur | Anvay
